# Altium PCB PCB1.PcbDoc
Units mil, origin at the board's own origin, x right, y up, seen from the top; angles counter-clockwise.
Board outline 3915 x 1310 mil, 2 copper layers (Top Layer, Bottom Layer); 72 components, 57 nets, 369 pads, 78 vias.
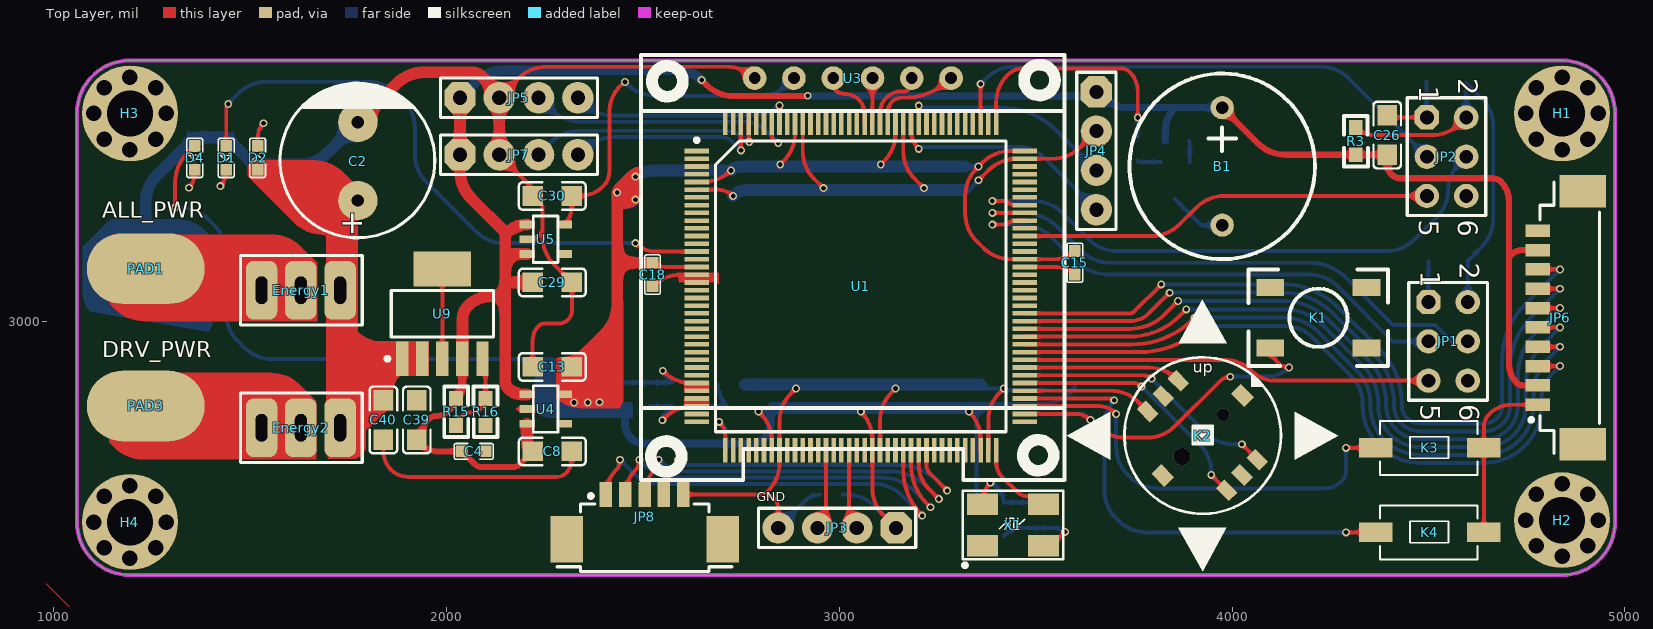
[diagram p0: Top Layer view]
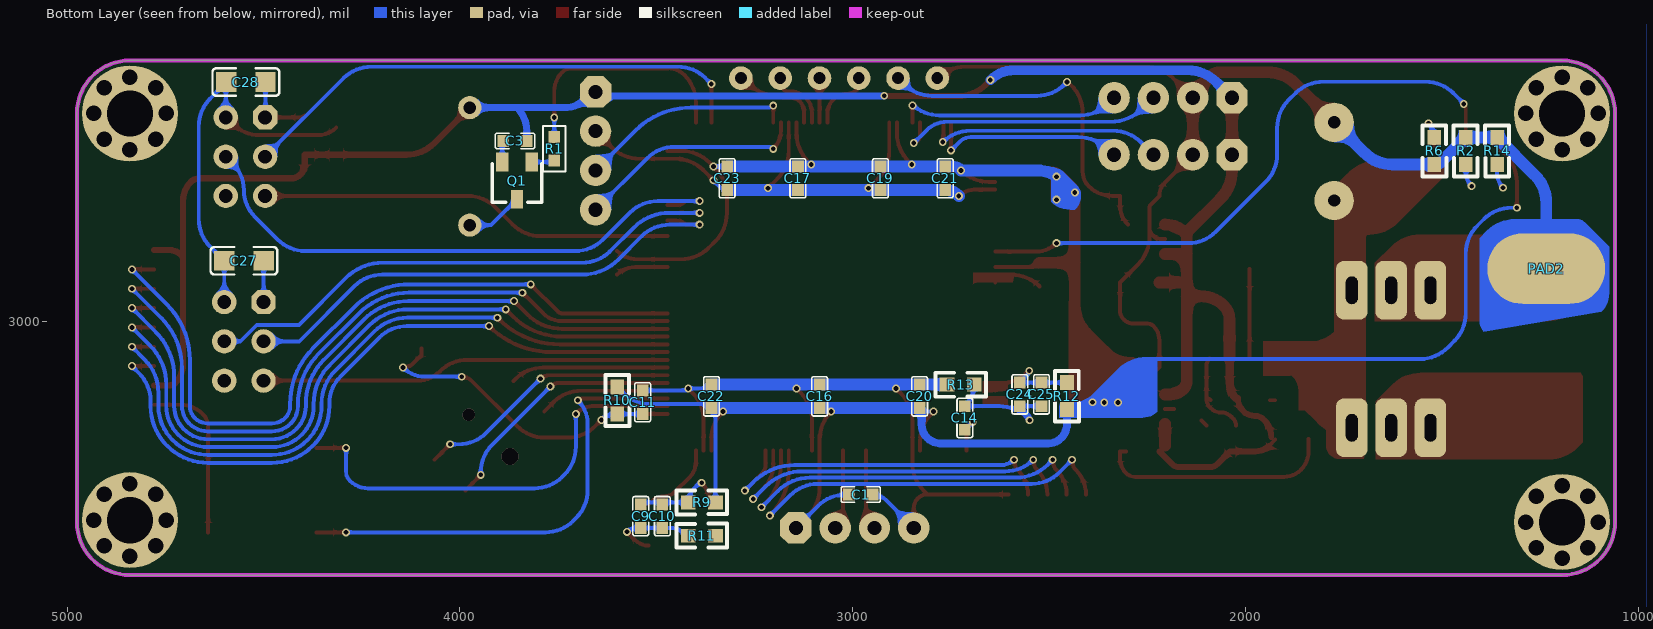
[diagram p1: Bottom Layer view, seen from below]
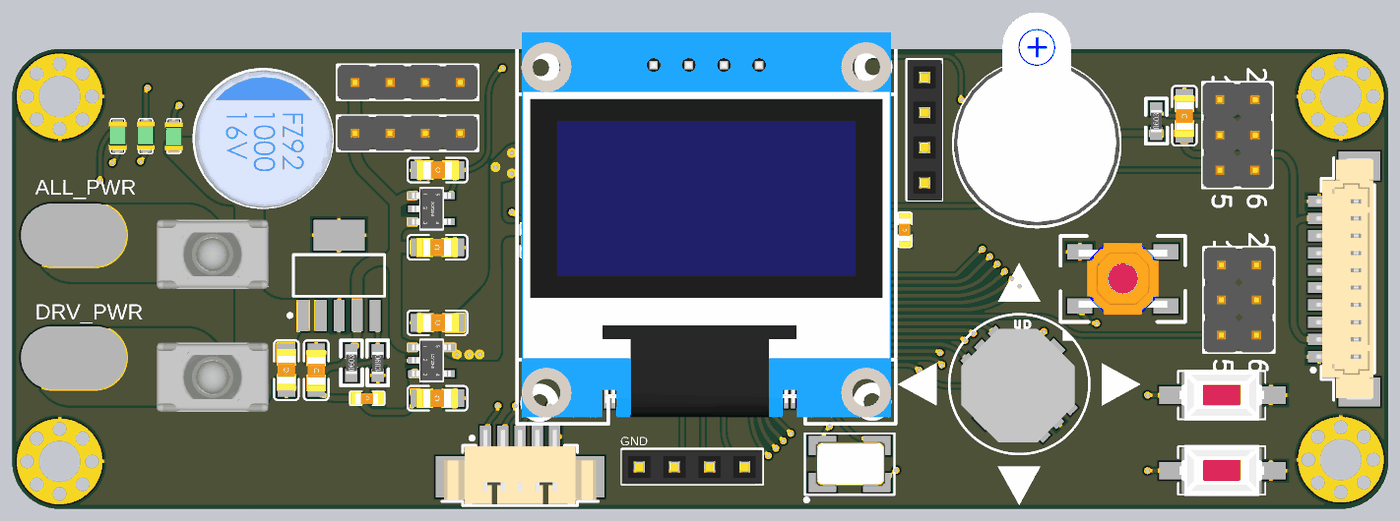
[diagram p2: 3D render of the assembled board from above, using the file's embedded part models]
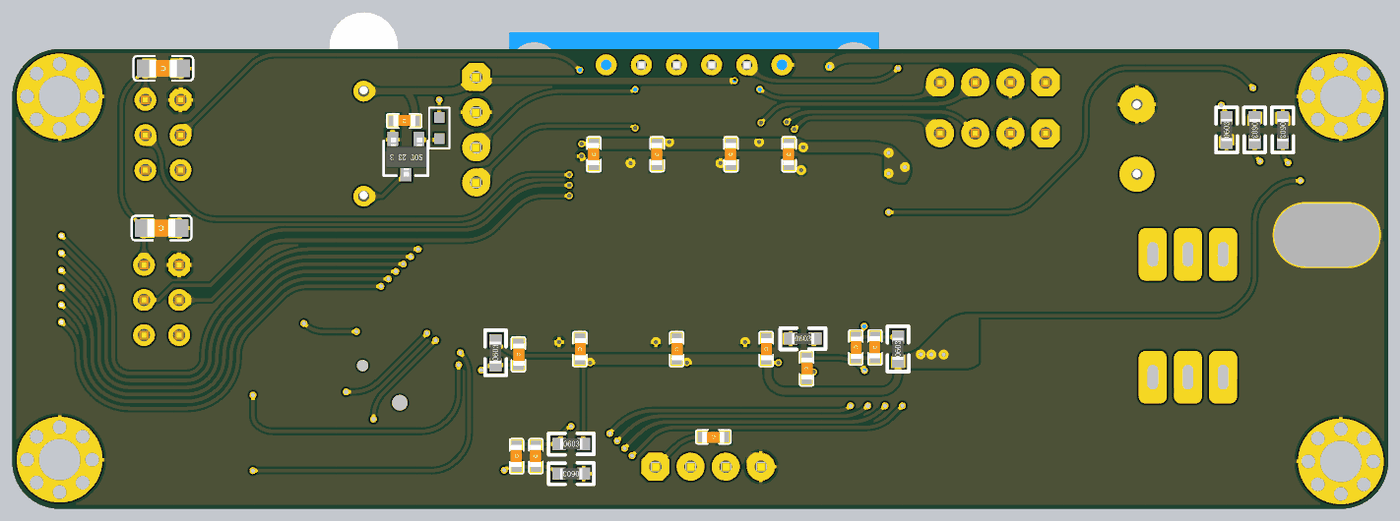
[diagram p3: 3D render of the assembled board from below, using the file's embedded part models]

## Layer stack, top to bottom
Top Solder: solder mask 0.4, Solder Resist, Dk 3.5
Top Layer: signal copper 1.4
Dielectric 1: dielectric 12.6, FR-4, Dk 4.8
Bottom Layer: signal copper 1.4
Bottom Solder: solder mask 0.4, Solder Resist, Dk 3.5

## Board outline
1195,2355 cw(c1195,2490) 1060,2490 1060,3530 cw(c1195,3530) 1195,3665 4840,3665 cw(c4840,3530) 4975,3530 4975,2490 cw(c4840,2490) 4840,2355

## Design rules (kind name [scope] priority, off if disabled: settings)
Clearance [All] p1: gap=6 ignorepadtopadclearanceinfootprint=TRUE
PolygonConnect [All] p1: connectstyle=Relief reliefconductorwidth=10 reliefentries=4 polygonreliefangle="90 Angle" airgapwidth=10
RoutingVias [All] p1: holewidth=12 width=20 viastyle="Through Hole" minholewidth=12 minwidth=20 maxholewidth=12 maxwidth=20
SolderMaskExpansion [All] p1: expansion=4 istentingtop=FALSE
Width [All] p1: maxlimit=100 minlimit=10 preferedwidth=10 minimp=50.000000 maximp=50.000000 favimp=50.000000
30 further rules are at their usual default settings.

## Classes and differential pairs
component class 电源: C2 C4 C8 C13 C29 C30 C39 C40 D2 Energy1 Energy2 PAD1 PAD2 PAD3 R6 R15 R16 U4 U5 U9
component class 外设: B1 C3 C26 C27 C28 H1 H2 H3 H4 JP1 JP2 JP4 JP5 JP6 JP7 JP8 K2 K3 K4 Q1 R1 R3 U3
component class K60最小系统: C1 C9 C10 C11 C14 C15 C16 C17 C18 C19 C20 C21 C22 C23 C24 C25 D1 D4 JP3 K1 R2 R9 R10 R11 R12 R13 R14 U1 X1

## Components (designator, comment, footprint, x,y, rotation, side; value= is the part's Value field where it differs from the comment)
B1 "Buzzer" BUZZ 3975,3395.39 r270 top
C1 "0.1uF" 0603_C 2980,2560 r0 bottom value=104
C2 "1000uF" "CAP 10 x 12" 1775,3308.32 r90 top
C3 "0.1uF" 0603_C 3860,3460 r180 bottom value=104
C4 "0.1uF" 0603_C 2070,2670 r180 top value=104
C8 "1uF" 0805_c 2315,2670 r180 top value=104
C9 "10uF" 0603_C 3540,2505 r90 bottom value=104
C10 "0.1uF" 0603_C 3485,2505 r90 bottom value=104
C11 "0.1uF" 0603_C 3535,2795 r270 bottom value=104
C13 "1uF" 0805_c 2225,2885 r0 top value=104
C14 "0.1uF" 0603_C 2715,2755 r270 bottom value=104
C15 "0.1uF" 0603_C 3600,3150 r90 top value=104
C16 "0.1uF" 0603_C 3084.53,2810 r270 bottom value=104
C17 "0.1uF" 0603_C 3140,3365 r90 bottom value=104
C18 "0.1uF" 0603_C 2525,3120 r90 top value=104
C19 "0.1uF" 0603_C 2930,3365 r90 bottom value=104
C20 "0.1uF" 0603_C 2830,2810 r270 bottom value=104
C21 "0.1uF" 0603_C 2765,3365 r90 bottom value=104
C22 "0.1uF" 0603_C 3360,2810 r270 bottom value=104
C23 "0.1uF" 0603_C 3320,3365 r90 bottom value=104
C24 "0.1uF" 0603_C 2575,2815 r270 bottom value=104
C25 "10uF" 0603_C 2520,2815 r90 bottom value=104
C26 "0.1uF" 0805_c 4395,3520 r270 top value=104
C27 "1uF" 0805_c 4505,3155 r0 bottom value=104
C28 "1uF" 0805_c 4500,3610 r0 bottom value=104
C29 "1uF" 0805_c 2315,3100 r180 top value=104
C30 "1uF" 0805_c 2225,3320 r0 top value=104
C39 "22uF" 0805_c 1925,2795 r270 top value=104
C40 "10uF" 0805_c 1840,2705 r90 top value=104
D1 "LED" 0603_LED 1440,3418 r270 top
D2 "LED" 0603_LED 1520,3416 r90 top
D4 "LED" 0603_LED 1360,3418 r270 top
Energy1 "Tolggle_swith" "TOGGLE SWICH STAND" 1630,3080 r0 top
Energy2 "Tolggle_swith" "TOGGLE SWICH STAND" 1630,2730 r0 top
H1 "HOLE" "定位孔 Φ3 1" 4840,3530 r0 top
H2 "HOLE" "定位孔 Φ3 1" 4840,2495 r0 top
H3 "HOLE" "定位孔 Φ3 1" 1195,3530 r0 top
H4 "HOLE" "定位孔 Φ3 1" 1195,2490 r0 top
JP1 "header" header2X3 4500,3050 r270 top
JP2 "header" header2X3 4496.02,3520 r270 top
JP3 "header" header4_M 3145,2475 r180 top
JP4 "UART" header4_M 3655,3585 r270 top
JP5 "UART" header4 2035,3570 r0 top
JP6 "HEADER 10" HEADER_10P_1.25_UP 4860,3010 r90 top
JP7 "header" header4 2035,3425 r0 top
JP8 "HEADER 5" HEADER_5P_1.25_RT 2505,2450 r0 top
K1 "Button" Button_4_4*4 4220,3010 r180 top
K2 "TSW_5" TSW-10 3925,2710 r0 top
K3 "Button" button_2 4495,2695 r0 top
K4 "Button" button_2 4495,2480 r0 top
PAD1 "PAD" "BIG PAD" 1235.09,3134.54 r90 top
PAD2 "PAD" "BIG PAD" 1235.09,3135.46 r270 bottom
PAD3 "PAD" "BIG PAD" 1235.09,2785 r90 top
Q1 "NPN2" SOT-23-3 3768.11,3317 r0 bottom
R1 "6.8K" R0603#1 3760,3440 r90 bottom
R2 "1k" R0603#2 1440,3469 r270 bottom value=1K
R3 "0" R0603#2 4315,3425 r90 top value=1K
R6 "1K" R0603#2 1520,3400 r90 bottom
R9 "0" R0603#2 3419,2540 r180 bottom value=1K
R10 "10K" R0603#2 3600,2765 r90 bottom value=1K
R11 "0" R0603#2 3350,2455 r0 bottom value=1K
R12 "0" R0603#2 2455,2776 r90 bottom value=1K
R13 "0" R0603#2 2760,2840 r180 bottom value=1K
R14 "1k" R0603#2 1360,3469 r270 bottom value=1K
R15 "4.7K" R0603#2 2025,2736 r90 top value=1K
R16 "1.5K" R0603#2 2100,2805 r270 top value=1K
U1 "K60_LQFP144" LQFP144 3055,3090 r0 top
U3 "OLED" 0.96寸OLED模块 2785,3620 r0 top
U4 "ME6211" SOT23-5 2205.68,2815 r270 top value=Value
U5 "ME6211" SOT23-5 2205.68,3247.4 r270 top value=Value
U9 "TPS7A4501" SOT-6 1990,3020 r90 top
X1 "50MHZ OSC" XTAL_5032 3475,2520 r0 top

## Footprints (in the part's own frame and the unit in brackets; to place one, negate y for a bottom-side part, rotate by r counter-clockwise, add the part's x,y. Pads: shape width x height; smd on the part's side, far side on the other; paste and mask are expansions set on the pad)
0.96寸OLED模块 [mil]
  round 60 hole 30: 1(0,0) 2(100,0) 3(200,0) 4(300,0) 5(400,0) 6(500,0)
  silkscreen extent -289,-1023 789,59, body extent -276,-1005 776,92, height 198
0603_C [mil] "Capacitor"
  rect 30x30 smd: 1(-30,0) 2(30,0)
  silkscreen extent -50,-20 50,20, body extent -51,-18 52,21, height 35
0603_LED [mil]
  rect 30x30 smd: 1(-29,0) 2(31,0)
  silkscreen extent -49,-20 51,20, body extent -40,-25 40,25, height 43
0805_c [mil]
  rect 52x50 smd: 1(-5,0) 2(95,0)
  silkscreen extent -40,-35 130,35, body extent -13,-28 105,28, height 37
"BIG PAD" [mil]
  oval 180x300 smd: 1(0.46,0.09)
button_2 [mil]
  rect 85x49.37 smd: 1(-129.57,-16.14) 2(146.02,-16.14)
  silkscreen extent -118,-85 130,53, body extent -114,-89 126,57
Button_4_4*4 [mil]
  rect 70.87x43.31 smd paste+0: 1(-122.5,77.5) 1(122.5,77.5) 2(-122.5,-77.5) 2(122.5,-77.5)
  silkscreen extent -178,-123 178,123, body extent -126,-103 126,101, height 59
BUZZ [mm]
  round 1.5 hole 0.8: 1(-3.8,0) 2(3.8,0)
  silkscreen extent -6,-6 6,6, body extent -9.53,-6 5.93,6, height 9.65
"CAP 10 x 12" [mm] "1000uF 16V"
  round 2.54 hole 0.8: 1(0,0) 2(5.055,0)
  silkscreen extent -2.41,-4.97 7.59,5.02, body extent -2.46,-5.01 7.54,4.96, height 12.01
header2X3 [mil]
  oct 62x62 hole 35: 1(0,0)
  round 62 hole 35: 2(0,100) 3(100,0) 4(100,100) 5(200,0) 6(200,100)
  silkscreen extent -50,-50 250,150, body extent -50,-50 250,150, height 398
header4 [mil]
  oct 80x80 hole 36: 1(0,0)
  round 80 hole 36: 2(100,0) 3(200,0) 4(300,0)
  silkscreen extent -50,-50 350,50, body extent -50,-50 350,50, height 398
header4_M [mil]
  oct 80x80 hole 36: 1(0,0)
  round 80 hole 36: 2(100,0) 3(200,0) 4(300,0)
  silkscreen extent -50,-50 350,50, body extent -49,-48 351,50, height 331
HEADER_5P_1.25_RT [mm]
  rect 0.81x1.6 smd: 1(-2.5,2.8) 2(-1.25,2.8) 3(0,2.8) 4(1.25,2.8) 5(2.5,2.8)
  rect 2.1x3 smd: MP1(-5.05,-0.1) MP2(5.05,-0.1)
  silkscreen extent -5.65,-2.17 5.65,2.82, body extent -5.5,-2.1 5.5,3.3, height 3.4
HEADER_10P_1.25_UP [mm]
  rect 0.81x1.6 smd: 1(-5.625,2.07) 2(-4.375,2.07) 3(-3.125,2.07) 4(-1.875,2.07) 5(-0.625,2.07) 6(0.625,2.07) 7(1.875,2.07) 8(3.125,2.07) 9(4.375,2.07) 10(5.625,2.07)
  rect 2.1x3 smd: MP1(-8.175,-0.83) MP2(8.175,-0.83)
  silkscreen extent -8.77,-1.92 8.77,2.62, body extent -8.73,-1.85 8.73,2.35, height 4.74
LQFP144 [mm]
  rect 1.6x0.3 smd: 1(-10.6,8.75) 2(-10.6,8.25) 3(-10.6,7.75) 4(-10.6,7.25) 5(-10.6,6.75) 6(-10.6,6.25) 7(-10.6,5.75) 8(-10.6,5.25) 9(-10.6,4.75) 10(-10.6,4.25) 11(-10.6,3.75) 12(-10.6,3.25) 13(-10.6,2.75) 14(-10.6,2.25) 15(-10.6,1.75) 16(-10.6,1.25) 17(-10.6,0.75) 18(-10.6,0.25) 19(-10.6,-0.25) 20(-10.6,-0.75) 21(-10.6,-1.25) 22(-10.6,-1.75) 23(-10.6,-2.25) 24(-10.6,-2.75) 25(-10.6,-3.25) 26(-10.6,-3.75) 27(-10.6,-4.25) 28(-10.6,-4.75) 29(-10.6,-5.25) 30(-10.6,-5.75) 31(-10.6,-6.25) 32(-10.6,-6.75) 33(-10.6,-7.25) 34(-10.6,-7.75) 35(-10.6,-8.25) 36(-10.6,-8.75) 73(10.6,-8.75) 74(10.6,-8.25) 75(10.6,-7.75) 76(10.6,-7.25) 77(10.6,-6.75) 78(10.6,-6.25) 79(10.6,-5.75) 80(10.6,-5.25) 81(10.6,-4.75) 82(10.6,-4.25) 83(10.6,-3.75) 84(10.6,-3.25) 85(10.6,-2.75) 86(10.6,-2.25) 87(10.6,-1.75) 88(10.6,-1.25) 89(10.6,-0.75) 90(10.6,-0.25) 91(10.6,0.25) 92(10.6,0.75) 93(10.6,1.25) 94(10.6,1.75) 95(10.6,2.25) 96(10.6,2.75) 97(10.6,3.25) 98(10.6,3.75) 99(10.6,4.25) 100(10.6,4.75) 101(10.6,5.25) 102(10.6,5.75) 103(10.6,6.25) 104(10.6,6.75) 105(10.6,7.25) 106(10.6,7.75) 107(10.6,8.25) 108(10.6,8.75)
  rect 0.3x1.6 smd: 37(-8.75,-10.6) 38(-8.25,-10.6) 39(-7.75,-10.6) 40(-7.25,-10.6) 41(-6.75,-10.6) 42(-6.25,-10.6) 43(-5.75,-10.6) 44(-5.25,-10.6) 45(-4.75,-10.6) 46(-4.25,-10.6) 47(-3.75,-10.6) 48(-3.25,-10.6) 49(-2.75,-10.6) 50(-2.25,-10.6) 51(-1.75,-10.6) 52(-1.25,-10.6) 53(-0.75,-10.6) 54(-0.25,-10.6) 55(0.25,-10.6) 56(0.75,-10.6) 57(1.25,-10.6) 58(1.75,-10.6) 59(2.25,-10.6) 60(2.75,-10.6) 61(3.25,-10.6) 62(3.75,-10.6) 63(4.25,-10.6) 64(4.75,-10.6) 65(5.25,-10.6) 66(5.75,-10.6) 67(6.25,-10.6) 68(6.75,-10.6) 69(7.25,-10.6) 70(7.75,-10.6) 71(8.25,-10.6) 72(8.75,-10.6) 109(8.75,10.6) 110(8.25,10.6) 111(7.75,10.6) 112(7.25,10.6) 113(6.75,10.6) 114(6.25,10.6) 115(5.75,10.6) 116(5.25,10.6) 117(4.75,10.6) 118(4.25,10.6) 119(3.75,10.6) 120(3.25,10.6) 121(2.75,10.6) 122(2.25,10.6) 123(1.75,10.6) 124(1.25,10.6) 125(0.75,10.6) 126(0.25,10.6) 127(-0.25,10.6) 128(-0.75,10.6) 129(-1.25,10.6) 130(-1.75,10.6) 131(-2.25,10.6) 132(-2.75,10.6) 133(-3.25,10.6) 134(-3.75,10.6) 135(-4.25,10.6) 136(-4.75,10.6) 137(-5.25,10.6) 138(-5.75,10.6) 139(-6.25,10.6) 140(-6.75,10.6) 141(-7.25,10.6) 142(-7.75,10.6) 143(-8.25,10.6) 144(-8.75,10.6)
  silkscreen extent -10.72,-9.4 9.4,9.57, body extent -10.98,-11.01 11.03,11.01, height 1.1
R0603#1 [mil]
  rect 30x30 smd: 1(30,0) 2(-30,0)
  silkscreen extent -58,-29 58,29, body extent -32,-16 31,16, height 36
R0603#2 [mil] "1/10W"
  rect 38x35 smd: 1(0,0) 2(69,0)
  silkscreen extent -30,-31 99,30, body extent 4,-16 66,16, height 18
SOT23-5 [mm]
  rect 0.5x1 smd: 1(0,0) 2(0.95,0) 3(1.9,0) 4(1.9,2.4) 5(0,2.4)
  silkscreen extent -0.55,0.4 2.45,2, body extent -0.5,-0.2 2.4,2.6, height 1.09
SOT-6 [mm]
  rect 2.25x0.8 smd: 1(-2.9,2.6) 2(-2.9,1.3) 3(-2.9,0) 4(-2.9,-1.3) 5(-2.9,-2.6)
  rect 2.25x3.7 smd: 3(2.9,0)
  silkscreen extent -3.02,-3.3 1.5,3.67, body extent -1.78,-3.27 1.78,3.27, height 1.8
SOT-23-3 [mm]
  rect 0.8x1.2 smd: 1(1.257,-2.273) 2(3.157,-2.273) 3(2.207,0.127)
  silkscreen extent 0.61,-2.17 3.81,0.33, body extent 0.71,-2.42 3.61,0.38
"TOGGLE SWICH STAND" [mil]
  rrect50% 80x150 hole 30 slot 70 at 90 deg: 1(-100,0) 2(0,0) 3(100,0)
  silkscreen extent -154,-89 156,88, body extent -159,-98 159,98, height 780
TSW-10 [mm]
  rect 1.2x0.9 smd rot 135: 0(-2.575,-2.575) 0(2.587,2.587)
  rect 1.2x0.8 smd rot 135: 1(-1.56,3.54) 2(-2.55,2.55) 3(-3.54,1.56) 4(1.56,-3.54) 5(2.55,-2.55) 6(3.54,-1.56)
  silkscreen extent -8.79,-8.76 8.77,8.79, body extent -5.6,-5.61 5.43,5.42, height 4.5
XTAL_5032 [mil]
  rect 78.74x55.12 smd: 1(-110,-90) 2(45,-90) 3(45,15) 4(-110,15)
  silkscreen extent -160,-145 95,50, body extent -128,-100 68,26, height 39
"定位孔 Φ3 1" [mm]
  round 1 hole 1: 1(-2.35,0) 1(-1.662,-1.662) 1(-1.662,1.662) 1(0,-2.35) 1(0,2.35) 1(1.662,-1.662) 1(1.662,1.662) 1(2.35,0)
  round 6.2 hole 3: 1(0,0)

## Part data
C1 C3 C4 C8 C9 C10 C11 C13 C14 C15 C16 C17 C18 C19 C20 C21 C22 C23 C24 C25 C26 C27 C28 C29 C30 C39 C40: library part CAP, "Capacitor", LatestRevisionDate=17-Jul-2002, LatestRevisionNote="Re-released for DXP Platform.", PackageReference=RAD-0.3, Published=8-Jun-2000, Publisher="Altium Limited"
C2: library part Cap_polar
D1 D2 D4: "LED 发光二极管"
JP1 JP2: library part "HEADER 3X2"
JP3 JP4 JP5 JP7: library part "HEADER 4"
K2: "方向开关"
Q1: "贴片"
R1: library part RES
R2 R3 R6 R9 R10 R11 R12 R13 R14 R15 R16: library part RES, "Resistor", Published=8-Jun-2000, Publisher="Altium Limited", Revision="July-2002: Re-released for DXP Platform."
U3: "模块"
U4 U5: library part ADP150AUJZ-1_8-R, "9uVRMS 150mA LDO", RefDes=RefDes, Type=Type
U9: library part TL1963A
X1: library part XTAL_贴片
K1 K3 K4: LatestRevisionDate=17-Jul-2002, LatestRevisionNote="Re-released for DXP Platform.", PackageReference=SPST-2, Published=24-Mar-1999, Publisher="Altium Limited"

## Via types
v1: diameter 20, hole 12, Top Layer to Bottom Layer, 76 vias
v2: diameter 31.5, hole 31.5, Top Layer to Bottom Layer, 1 vias
v3: diameter 43.31, hole 43.31, Top Layer to Bottom Layer, 1 vias

## Nets (pads, with @x,y where several pads share a name; then routed paths per layer and width w, separated by ;. In a path a pad name is that pad's centre, name@x,y a point inside that pad or via, vN(x,y) a via of type N, cw(c..) or ccw(c..) an arc to the next point about the centre after c; other vN are vias at no path point)
+5: B1.1 C3.2 C4.2 C8.2 C26.2 C29.2 C39.2 JP4.1 JP5.1 JP6.2 JP6.9 JP7.1 R3.1 R15.2 U4.1 U4.3 U5.1 U5.3 U9.4 | length 5502.6
  Top Layer w10: C39.2 C39.2@1940.86,2684.14 ; R15.2@2024.71,2799.71 ccw(c1976.72,2805) R15.2 ; 2150,3172.6 2142.4,3172.6 2150,3180.2 ; C8.2@2205.68,2684.32 C8.2 ; v1@2917.59,3579 ccw(c2917.59,3582.41) v1@2920,3580
  Top Layer w15: C39.2@1935,2706.38 cw(c1996.94,2706.38) 1953.14,2750.18 cw(c1977.62,2725.7) 1974.89,2760.21 ; C39.2@1940.86,2684.14 ccw(c1975,2718.28) 1975,2670 C4.2 2072.93,2637.07 ccw(c2090,2654.14) 2090,2630 2170,2630 ccw(c2170,2654.14) 2187.06,2637.06 C8.2 ; 1977.62,2760.32 ccw(c1977.62,2800.84) 2006.28,2772.18 ccw(c1973.15,2805.32) R15.2@2020,2805.32 ; v1(2650,3615) 2661.71,3603.29 ccw(c2732.42,3674) 2732.42,3574 2745,3574 v1@2917.59,3574
  Top Layer w16: B1.1 4065.71,3454.29 ccw(c4136.42,3525) 4136.42,3425 R3.1 C26.2 4395,3399.58 ccw(c4429.14,3399.58) 4405,3375.43 ccw(c4430.19,3400.62) 4430.19,3365 4662.66,3365 cw(c4662.66,3333.41) 4685,3355.75 cw(c4636.72,3307.46) 4705,3307.46 4705,3157.93 ; JP6.2 4739.92,2837.76 cw(c4739.92,2858.86) 4725,2843.94 cw(c4773.28,2892.22) 4705,2892.22 4705,3157.93 ; JP6.9 4739.56,3182.24 ccw(c4739.56,3140.44) 4710,3170 ccw(c4722.07,3157.93) 4705,3157.93
  Top Layer w20: R15.2 ccw(c1985.94,2844.06) 2041.18,2844.06 U9.4
  Top Layer w30: JP5.1 JP7.1 2035,3384.06 ccw(c2135,3384.06) 2064.29,3313.35 2145.94,3231.69 cw(c2136.15,3221.9) 2150,3221.9 ; U9.4 2041.18,3006.64 cw(c2088.36,3006.64) 2055,3040 cw(c2115.36,2979.64) 2115.36,3065 2150,3065 ; C8.2@2205.68,2684.32 U4.3 ; U4.1 2192.15,2815 cw(c2192.15,2862.2) 2158.77,2828.83 cw(c2179.94,2850) 2150,2850 2150,3065 ; U5.3 2150,3172.6 ; U5.1 ccw(c2205.68,3174.53) 2154.16,3226.06 2150,3221.9 ; C29.2 2162.07,3100 cw(c2162.07,3117.07) 2150,3105 ; 2150,3065 2150,3105 ; 2150,3105 2150,3172.6 ; 2150,3172.6 2150,3180.2 2150,3221.9
  Bottom Layer w18: v1(2920,3575) 3613.79,3575 ; JP4.1@3618.79,3570 ccw(c3618.79,3621.21) JP4.1 3665.71,3574.29 ccw(c3736.42,3645) 3736.42,3545 3855,3545 ; C3.2 3830,3484.64 cw(c3915.36,3484.64) 3855,3545 ; B1.1 3855,3545
  Bottom Layer w25: JP5.1 2075.71,3610.71 cw(c2146.42,3540) 2146.42,3640 2589.64,3640 cw(c2589.64,3554.64) v1(2650,3615)
ADC1: JP6.3 U1.82 | length 1773.8
  Top Layer w10: U1.82 3766.11,2922.68 ccw(c3766.11,3148.89) v1(3926.07,2988.93) ; JP6.3 v1(4835,2886.97)
  Bottom Layer w10: v1(3926.07,2988.93) 4134.64,2988.93 cw(c4134.64,2888.93) 4205.36,2959.64 4303.14,2861.86 cw(c4232.43,2791.15) 4332.43,2791.15 4332.43,2785.36 ccw(c4475.36,2785.36) 4374.29,2684.29 ccw(c4479.14,2789.14) 4479.14,2640.86 4640.86,2640.86 ccw(c4640.86,2789.14) 4745.71,2684.29 ccw(c4644.64,2785.36) 4787.57,2785.36 4787.57,2798.12 cw(c4887.57,2798.12) 4816.86,2868.83 v1(4835,2886.97)
ADC2: JP6.4 U1.83 | length 1800.4
  Top Layer w10: U1.83 3745.94,2942.36 ccw(c3745.94,3162.36) 3901.5,3006.8 v1(3904.85,3010.15) ; JP6.4 v1(4835,2936.18)
  Bottom Layer w10: v1(3904.85,3010.15) 4133.43,3010.15 cw(c4133.43,2890.15) 4218.28,2975 4317.28,2876.01 cw(c4232.43,2791.15) 4352.43,2791.15 4352.43,2785.36 ccw(c4475.36,2785.36) 4388.43,2698.43 ccw(c4479.14,2789.14) 4479.14,2660.86 4640.86,2660.86 ccw(c4640.86,2789.14) 4731.57,2698.43 ccw(c4644.64,2785.36) 4767.57,2785.36 4767.57,2819.05 cw(c4887.57,2819.05) 4802.72,2903.9 v1(4835,2936.18)
ADC3: JP6.5 U1.84 | length 1828.5
  Top Layer w10: U1.84 3740,2962.05 ccw(c3740,3141.49) 3866.88,3014.6 v1(3883.64,3031.36) ; JP6.5 v1(4835,2985.39)
  Bottom Layer w10: v1(3883.64,3031.36) 4132.22,3031.36 cw(c4132.22,2891.36) 4231.21,2990.36 4331.42,2890.15 cw(c4232.43,2791.15) 4372.43,2791.15 4372.43,2785.36 ccw(c4475.36,2785.36) 4402.57,2712.57 ccw(c4479.14,2789.14) 4479.14,2680.86 4640.86,2680.86 ccw(c4640.86,2789.14) 4717.43,2712.57 ccw(c4644.64,2785.36) 4747.57,2785.36 4747.57,2839.98 cw(c4887.57,2839.98) 4788.58,2938.97 v1(4835,2985.39)
ADC4: JP6.6 U1.85 | length 1857.2
  Top Layer w10: U1.85 3740,2981.73 ccw(c3740,3106.27) 3828.06,3018.21 v1(3862.43,3052.57) ; JP6.6 v1(4835,3034.61)
  Bottom Layer w10: v1(3862.43,3052.57) 4131,3052.57 cw(c4131,2892.57) 4244.14,3005.71 4345.56,2904.29 cw(c4232.43,2791.15) 4392.43,2791.15 4392.43,2785.36 ccw(c4475.36,2785.36) 4416.72,2726.72 ccw(c4479.14,2789.14) 4479.14,2700.86 4640.86,2700.86 ccw(c4640.86,2789.14) 4703.28,2726.72 ccw(c4644.64,2785.36) 4727.57,2785.36 4727.57,2860.91 cw(c4887.57,2860.91) 4774.44,2974.04 v1(4835,3034.61)